# Allegro board pc051c_toplevel_209edited.brd (continued)
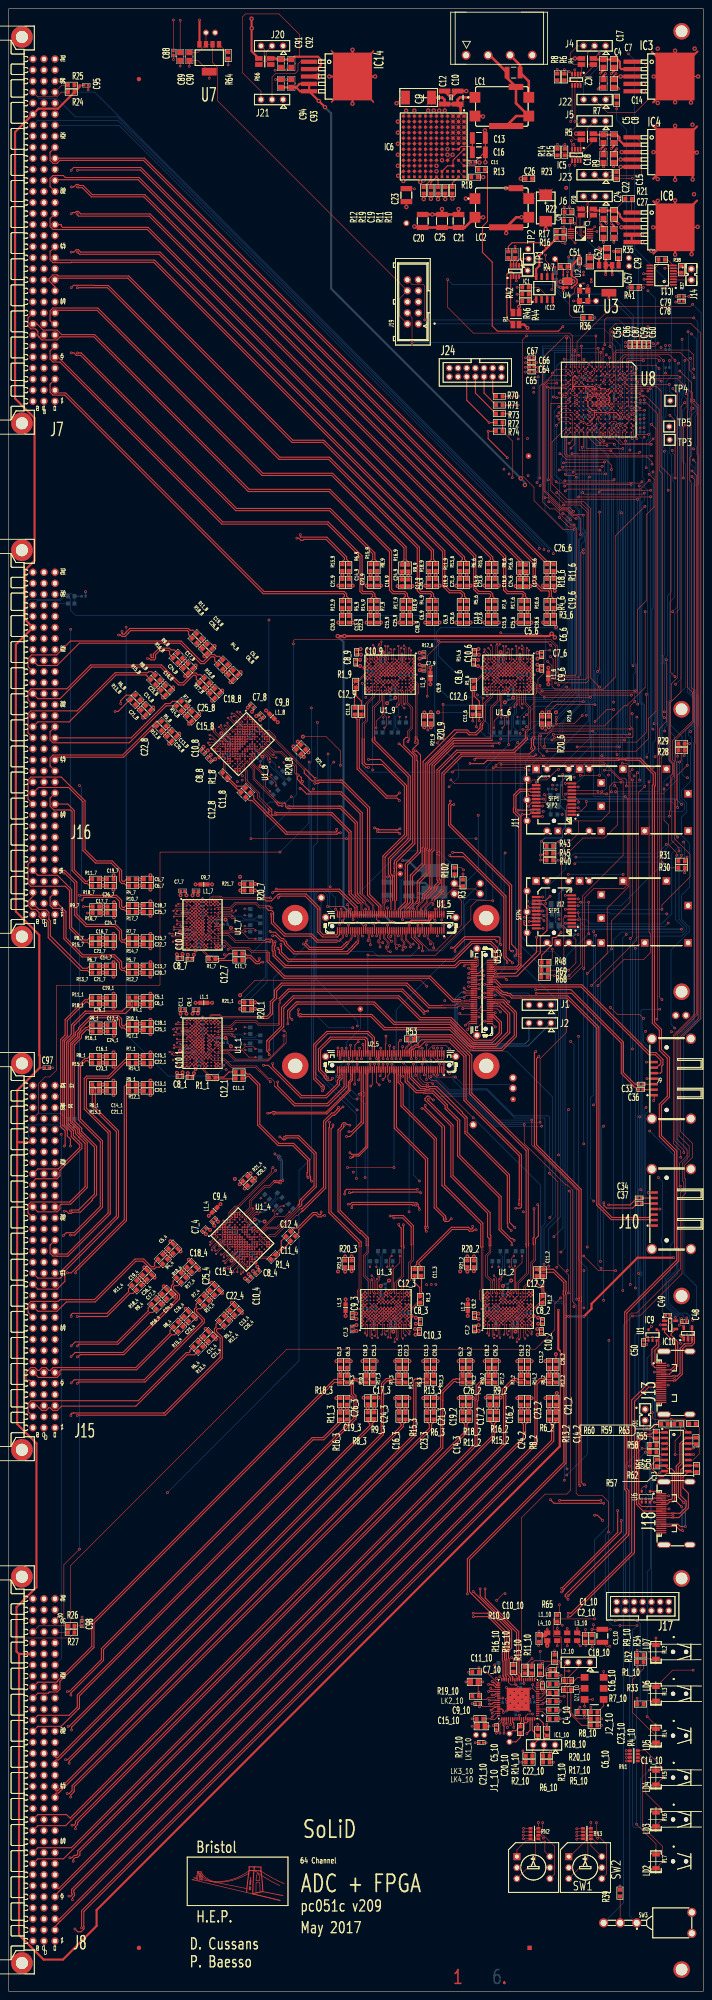
[diagram p0: board, top side]
## Routing (per net, layer and track width the routed paths; a pad name or vN(x,y) marks a point on that pad's centre or on a via; arc(x,y) is an arc through that point) (continued)
CLK_GEN_SDA_1V8: length 371.3
  TOP w0.13: v1(154.7,185.25) 154.5,185.45 154.5,190.55 156.25,192.3 156.25,193.7 153.95,196 153.95,220 158.73,224.78 158.73,364.42 157.3,365.84 157.3,366.26 157.46,366.41 157.46,367.96 157.3,368.11 157.3,370.12 v1(154.6,372.82) ; R10_10.1 119.81,73.79 118.46,73.79 118.16,74.09 118.16,109.01 123.56,114.41 128.53,114.41 129.45,115.33 129.45,183.85 v1(129.15,184.15) ; U8.K3 134.9,372.25 v1(134.9,373.25)
  TOP w0.17: R10_10.1 120.45,73 120.6,72.85 IC1_10.18
  L4 w0.13: v1(141.85,372.2) 142.5,372.85 154.57,372.85 v1(154.6,372.82) ; v1(154.7,185.25) 154.37,184.92 129.92,184.92 v1(129.15,184.15) ; v1(134.38,374.91) v1(140.35,374.91)
  BOTTOM w0.13: v1(134.9,373.25) 134.38,373.77 v1(134.38,374.91) ; v1(140.35,374.91) 140.35,371.17 140.35,371.16 140.35,370.99 140.64,370.7 142.14,370.7 142.39,370.95 142.39,371.65 v1(141.85,372.2)
CLK_IN_AC_N_10: length 12.2
  TOP w0.17: 123.9,58.85 C20_10.1
  TOP w0.25: C20_10.1 123.31,58.21 J1_10.2 123.31,55.69 123.1,55.48 R5_10.1 123.05,54.15 123.05,52.75 R6_10.2 ; 123.9,58.85 123.15,59.6 123.15,61.7 122.15,62.7 IC1_10.64
CLK_IN_AC_P_10: length 11.1
  TOP w0.25: IC1_10.63 120.6,60.05 121.8,58.85 C22_10.1 121.85,57.78 J1_10.3 120.77,55.69 120.6,55.52 R2_10.1 R3_10.2
CLK_N<0>: length 301
  TOP w0.25: IC1_10.53 v1(115.6,61.4) ; v1(107.35,283.45) 107.65,283.75 122.55,283.75 122.62,283.68 123.66,283.68 123.73,283.75 140.14,283.75 140.14,283.75 142.53,283.75 142.53,283.75 145.5,283.75 148.95,280.3 148.95,277.44 148.8,277.29 148.8,277.12 148.75,277.07 148.75,222.96 150.36,221.35 150.36,216.71 151.05,216.02 151.08,216.02 152.2,214.9 152.2,205.75 150.36,203.91 150.36,196.9 153.9,193.36 153.9,171.21 154.35,170.76 154.35,168.04 142.39,156.08 142.39,115.67 142.85,115.21 142.85,105.19 142.75,105.09 142.75,104.9 v1(128.85,91) ; C12_6.1 v1(108.4,292.35)
  L3 w0.25: v1(115.6,61.4) 116.9,61.4 117.1,61.2 119.39,61.2 120.56,62.36 121.24,62.36 122.09,63.21 122.09,65.72 121.99,65.81 121.99,66.69 122.09,66.78 122.09,67.1 122.21,67.22 122.21,68.4 122.09,68.52 122.09,68.57 121.89,68.76 121.89,69.11 121.8,69.2 121.8,76.85 120.96,77.69 120.96,78.63 120.62,78.97 120.62,80.15 120.83,80.36 120.83,80.45 120.9,80.51 120.9,82.13 120.79,82.24 120.79,83.36 120.96,83.53 120.96,86.51 121.25,86.8 125.45,91 v1(128.85,91) ; v1(108.4,292.35) 108.4,284.5 v1(107.35,283.45)
CLK_N<1>: length 293.6
  TOP w0.25: v1(90,275.75) 89.3,275.05 87.16,275.05 80.75,281.46 80.75,292.67 81.25,293.17 C12_9.1 ; v1(116.75,238.25) 116.85,238.35 116.85,238.52 117.05,238.72 117.05,239.7 115.85,240.9 115.85,254.51 101.82,268.53 101.82,272.82 102.07,273.07 v1(102.53,273.07) ; IC1_10.44 112.2,65.45 112.15,65.4 111.95,65.4 111.24,64.69 v1(111.1,64.69)
  L3 w0.25: v1(116.75,238.25) 116.75,237.85 117.45,237.15 138.9,237.15 140.85,235.2 140.85,214.86 141.21,214.5 141.21,170.56 138.71,168.06 138.71,150.11 138.81,150.02 138.81,149.56 138.71,149.46 138.71,108.46 118.73,88.48 118.73,77.96 118.32,77.56 118.32,74.23 115.3,71.21 115.3,69.38 114.62,68.7 113.59,68.7 112.79,67.9 112.79,67.02 112.95,66.86 112.95,66.79 112.95,66.79 112.95,65.8 112.36,65.21 111.95,64.8 111.35,64.8 111.24,64.69 v1(111.1,64.69) ; v1(102.53,273.07) 102.53,273.53 102.85,273.85 102.85,274.62 102.47,275 101.75,275 101.62,275.12 90.62,275.12 v1(90,275.75)
CLK_N<2>: length 305.1
  TOP w0.25: v1(90.15,267.5) 89.89,267.5 89.59,267.2 89.24,267.2 89.16,267.27 85.32,267.27 85.13,267.46 84.74,267.46 84.5,267.7 v1(84.25,267.7) ; C12_8.1 56.45,275.06 56.45,274.36 59.44,271.37 59.44,271.27 59.77,270.94 59.87,270.94 64.06,266.75 75.39,266.75 75.57,266.93 75.57,267.36 v1(75.55,267.38) ; v1(101.6,261.35) 101.88,261.07 104.78,261.07 114.05,251.8 114.05,237.84 114.82,237.08 v1(114.82,236.66) ; v1(126.9,112.95) v1(136.4,112.95) ; v1(106.99,87) 110.3,87 114.75,82.55 114.75,79.19 114.22,78.66 114.22,77.9 114.22,77.9 114.22,76.29 114.36,76.15 114.36,72.8 114.45,72.71 114.45,72.62 114.6,72.47 IC1_10.30
  L3 w0.25: v1(101.6,261.35) 102.26,261.35 102.41,261.49 102.48,261.49 102.81,261.82 102.81,262.28 102.48,262.61 102.25,262.61 97.36,267.5 v1(90.15,267.5) ; v1(136.4,112.95) 136.79,112.95 137.04,113.2 137.04,120.9 137.3,121.16 137.3,149.24 137.19,149.35 137.19,150.22 137.3,150.33 137.3,158.49 137.58,158.77 137.58,159.23 137.3,159.51 137.3,160.21 137.46,160.37 137.46,160.83 137.3,160.99 137.3,171.16 139.2,173.06 139.2,224.51 139.21,224.52 139.21,224.98 139.2,224.99 139.2,234.8 138.15,235.85 115.43,235.85 115.18,236.1 115.18,236.3 v1(114.82,236.66) ; v1(126.9,112.95) 125.51,112.95 104.43,91.87 104.43,88.98 106.41,87 v1(106.99,87) ; v1(75.55,267.38) 83.15,267.38 83.19,267.35 83.54,267.35 83.89,267.7 v1(84.25,267.7)
CLK_N<3>: length 295
  TOP w0.25: v1(113.35,240.85) 113.15,241.05 113.15,242.4 112.9,242.65 104.99,242.65 102.45,240.11 v1(101.99,240.11) ; IC1_10.50 114.1,62 113.85,61.75 113.85,61.25 114.1,61 v1(114.1,59.4) ; v1(57.74,237.61) 57.74,237.16 57.52,236.94 57.17,236.94 55.81,238.3 54.93,238.3 54.43,238.8 C12_7.1 ; v1(127.35,92.7) 127.36,92.7 127.41,92.75 127.41,92.76 140.28,105.62 v1(140.28,110.6)
  L3 w0.25: v1(101.99,240.11) 101.99,239.65 100.09,237.75 58.59,237.75 58.45,237.61 v1(57.74,237.61) ; v1(114.1,59.4) 114.1,61.06 113.89,61.27 113.89,61.32 113.89,61.73 113.95,61.79 113.95,62.36 114.49,62.9 119.41,62.9 119.75,63.24 120.88,63.24 121.21,63.57 121.21,65.36 121.11,65.45 121.11,67.05 121.12,67.06 121.12,67.37 121.33,67.58 121.33,68.04 121,68.37 119.75,68.37 119.03,69.09 119.03,70.09 119.32,70.38 119.32,71.11 119.75,71.54 119.75,74.85 119.49,75.1 119.49,77.04 119.75,77.29 119.75,78.59 119.74,78.6 119.74,80.51 119.75,80.52 119.75,80.57 119.85,80.67 119.85,86.8 125.75,92.7 v1(127.35,92.7) ; v1(113.35,240.85) 113.6,241.1 121.6,241.1 123.95,238.75 124.76,238.75 124.76,238.74 125.64,238.74 125.64,238.75 139.1,238.75 142.15,235.7 142.15,169.31 140.3,167.46 140.3,166.09 140.34,166.06 140.34,165.6 140.3,165.56 140.3,160.09 140.19,159.99 140.19,159.11 140.3,159.01 140.3,115.3 140.28,115.28 v1(140.28,110.6)
CLK_N<4>: length 228.8
  TOP w0.25: C12_1.1 54.43,211.55 54.93,211.05 55.49,211.05 57.85,208.69 57.85,199.51 62.26,195.1 65.24,195.1 65.65,195.1 69.35,191.4 69.35,187.64 69.53,187.46 69.53,186.67 v1(69.78,186.42) ; v1(77.4,183.45) 77.43,183.48 77.43,184.13 77.83,184.53 v1(94.12,184.53) ; IC1_10.41 112.2,66.95 112.15,67 v1(110.65,67)
  L3 w0.25: v1(110.65,67) 111.79,67 111.84,67.05 111.84,67.91 111.91,67.97 111.91,68.32 112.07,68.48 112.07,68.69 112.49,69.11 112.49,69.34 113.77,70.63 113.77,71.01 114.8,72.04 114.8,73.35 117.35,75.9 117.35,76.16 117.36,76.17 117.36,89.99 120.06,92.68 120.06,93.06 135.78,108.79 135.78,109.54 135.59,109.73 135.59,109.84 135.33,110.1 135.19,110.1 135.18,110.11 135.18,110.49 135.38,110.69 135.38,175.26 127.41,183.23 126.96,183.23 126.26,183.93 95.68,183.93 95.05,184.56 94.68,184.56 94.65,184.53 v1(94.12,184.53) ; v1(69.78,186.42) 69.78,186.87 70.03,187.12 73.72,187.12 v1(77.4,183.45)
CLK_N<5>: length 195.8
  TOP w0.25: C12_4.1 65.74,175.6 66.44,175.6 70.04,179.2 70.94,179.2 71.44,178.69 71.79,178.69 71.97,178.87 v1(71.97,179.33) ; v1(110.55,69) 112.15,69 112.2,68.95 IC1_10.37 ; v1(78.22,181.13) 78.68,181.13 79.08,181.53 93.11,181.53 93.21,181.43 93.98,181.43 94.33,181.08 94.33,180.54 94.6,180.27 v1(94.6,179.9)
  L3 w0.25: v1(110.55,69) 111.14,69 111.61,69.47 111.61,69.71 112.89,70.99 112.89,71.38 113.68,72.17 113.68,73.78 113.97,74.08 113.97,74.08 116.45,76.55 116.45,93 133.02,109.57 133.02,110.99 133.5,111.47 133.5,166.69 133.37,166.76 133.37,169.18 133.5,169.31 133.5,170.71 133.82,171.02 133.82,171.48 133.5,171.8 133.5,174.48 126.63,181.35 126.19,181.35 125.64,181.9 96.41,181.9 94.96,180.45 94.85,180.45 94.6,180.2 v1(94.6,179.9) ; v1(71.97,179.33) 72.43,179.33 73.6,180.5 77.62,180.5 77.8,180.32 77.87,180.32 78.22,180.67 v1(78.22,181.13)
CLK_N<6>: length 158.1
  TOP w0.25: C12_3.1 93.5,166.78 94,167.28 94,167.84 101.96,175.8 105.94,175.8 106.34,175.4 106.69,175.4 106.87,175.58 v1(106.87,176.03) ; IC1_10.23 118.1,72.35 118.06,72.39 118.06,72.6 118.06,72.8 117.56,73.3 117.56,76.64 117.35,76.85 117.35,77.35 117.48,77.48 117.48,82.77 109.75,90.5 v1(109.75,92.6)
  L3 w0.25: v1(106.87,176.03) 107.32,176.03 108.29,177 124.4,177 129.51,171.89 129.8,171.6 129.8,161.29 129.96,161.14 129.96,160.26 129.8,160.11 129.8,158.16 129.85,158.11 130.43,158.11 130.76,157.78 130.76,157.32 130.43,156.99 130,156.99 129.95,156.94 129.95,155.79 130.01,155.74 130.01,154.86 129.95,154.81 129.95,111.99 110.56,92.6 110.15,92.6 v1(109.75,92.6)
CLK_N<7>: length 114.7
  TOP w0.25: C12_2.1 122.35,165.45 125.5,165.45 127.87,163.07 127.87,161.32 127.74,161.19 127.74,160.31 127.87,160.18 127.87,121.73 105.65,99.51 v1(105.65,91.45) ; IC1_10.27 116.1,72.23 116.1,72.24 116.1,72.35 115.27,73.18 115.27,76.53 115.13,76.67 115.13,78.28 115.85,79 115.85,83.15 v1(107.01,91.99)
  L3 w0.25: v1(105.65,91.45) 106.42,91.45 106.96,91.99 v1(107.01,91.99)
CLK_N<8>: length 180.1
  TOP w0.18: U3_5.57 v1(109.62,223.2)
  TOP w0.25: v1(111.35,71.3) 111.65,71 111.85,71 112.33,70.52 112.34,70.52 112.41,70.45 IC1_10.34 ; v1(122.1,215.1) 121.59,214.59 121.59,194.79 131.87,184.51 131.87,159.73 131.91,159.69 131.91,158.81 131.85,158.76 131.85,117.15 132.45,116.55 v1(132.65,116.55)
  L3 w0.25: v1(111.35,71.3) 110.9,71.75 110.9,75.99 115.85,80.94 115.85,88.64 112.9,91.59 112.9,92.5 112.95,92.55 112.95,92.57 132.23,111.85 132.23,115.87 132.65,116.3 v1(132.65,116.55) ; v1(109.62,223.2) 109.62,223.17 110.9,221.89 110.9,220.65 115.86,215.69 121.51,215.69 v1(122.1,215.1)
CLK_P<0>: length 303.2
  TOP w0.25: IC1_10.54 116.1,61.94 116.35,61.69 v1(116.35,60.7) ; v1(106.25,282.55) 106.31,282.49 109.44,282.49 110.21,283.25 140.47,283.25 140.52,283.3 140.52,283.32 140.57,283.37 142.1,283.37 142.15,283.32 142.15,283.3 142.2,283.25 145.29,283.25 148.45,280.09 148.45,277.65 148.25,277.45 148.25,222.75 149.86,221.14 149.86,216.5 150.84,215.52 150.87,215.52 151.7,214.69 151.7,205.96 149.86,204.12 149.86,196.69 153.4,193.15 153.4,171 153.85,170.55 153.85,168.25 141.89,156.29 141.89,115.46 142.35,115 142.35,105.4 128.18,91.23 128.18,90.87 v1(128.85,90.2) ; C11_6.1 v1(106.9,292.3)
  L3 w0.25: v1(106.9,292.3) 106.9,284.41 106.25,283.76 v1(106.25,282.55) ; v1(116.35,60.7) 119.6,60.7 120.76,61.86 121.45,61.86 122.59,63 122.59,65.93 122.49,66.02 122.49,66.48 122.59,66.57 122.59,66.89 122.71,67.01 122.71,68.61 122.59,68.73 122.59,68.78 122.39,68.97 122.39,69.31 122.3,69.41 122.3,77.06 121.46,77.9 121.46,78.83 121.12,79.17 121.12,79.94 121.33,80.16 121.33,80.24 121.4,80.31 121.4,82.34 121.29,82.45 121.29,83.15 121.46,83.32 121.46,86.3 125.36,90.2 v1(128.85,90.2)
CLK_P<1>: length 293.9
  TOP w0.25: v1(113.94,64.19) 113.97,64.22 113.97,64.58 113.6,64.95 IC1_10.45 ; v1(101.72,273.88) 101.72,273.42 101.32,273.03 101.32,268.33 115.35,254.3 115.35,239.71 115.71,239.35 v1(116.1,239.35) ; C11_9.1 79.75,293.17 80.25,292.67 80.25,281.25 86.95,274.55 89.45,274.55 v1(90,274)
  L3 w0.25: v1(90,274) 90.62,274.62 101.42,274.62 101.55,274.5 102.27,274.5 102.35,274.41 102.35,274.06 102.18,273.88 v1(101.72,273.88) ; v1(116.1,239.35) 121.2,239.35 122.63,237.92 138.98,237.92 141.38,235.52 141.38,219.17 141.71,218.84 141.71,170.35 139.21,167.86 139.21,150.32 139.31,150.22 139.31,149.35 139.21,149.26 139.21,108.26 119.23,88.27 119.23,77.76 118.82,77.35 118.82,74.02 115.8,71 115.8,69.17 114.83,68.2 113.79,68.2 113.29,67.69 113.29,67.23 113.45,67.07 113.45,67 113.45,67 113.45,65.59 112.86,65 112.86,64.65 113.11,64.4 113.72,64.4 v1(113.94,64.19)
CLK_P<2>: length 305.2
  TOP w0.25: v1(124.8,113.1) 125.6,112.3 v1(137.05,112.3) ; v1(84.9,266.9) 85.1,266.7 89.75,266.7 v1(90.1,266.35) ; v1(76.38,266.57) 75.92,266.57 75.6,266.25 64.27,266.25 63.85,266.25 59.66,270.44 59.56,270.44 58.94,271.06 58.94,271.16 56.1,274 55.39,274 C11_8.1 ; v1(102.25,262.05) 104.51,262.05 114.55,252.01 114.55,238.05 115.32,237.28 115.32,237.23 115.39,237.16 115.54,237.16 v1(116.05,236.65) ; v1(107.04,86.2) 110.39,86.2 114.25,82.34 114.25,79.39 113.72,78.86 113.72,77.7 113.72,76.09 113.86,75.95 113.86,72.59 113.95,72.5 113.95,72.41 114.1,72.26 IC1_10.31
  L3 w0.25: v1(76.38,266.57) 76.38,266.6 76.63,266.85 84.35,266.85 84.42,266.78 84.78,266.78 v1(84.9,266.9) ; v1(102.25,262.05) 102.1,262.05 97.8,266.35 v1(90.1,266.35) ; v1(137.05,112.3) 137.55,112.3 137.8,112.55 137.8,149.45 137.69,149.56 137.69,150.02 137.8,150.12 137.8,158.28 138.08,158.56 138.08,159.44 137.8,159.72 137.8,160.01 137.96,160.16 137.96,161.04 137.8,161.19 137.8,170.95 139.41,172.56 140.25,173.4 140.25,234.65 138.25,236.65 v1(116.05,236.65) ; v1(107.04,86.2) 106.5,86.2 106.26,86.44 106.22,86.44 105.89,86.77 105.89,86.81 103.93,88.78 103.93,92.07 124.8,112.94 v1(124.8,113.1)
CLK_P<3>: length 290.5
  TOP w0.25: v1(58.55,236.8) 58.09,236.8 57.73,236.44 56.96,236.44 55.6,237.8 54.93,237.8 54.43,237.3 C11_7.1 ; IC1_10.51 114.6,61.65 v1(114.45,61.5) ; v1(102.8,239.3) 102.8,239.75 105.1,242.05 112,242.05 v1(112.45,241.6) ; v1(127.35,91.9) 127.53,91.9 127.7,92.08 127.7,92.27 127.91,92.47 127.91,92.55 141.1,105.74 v1(141.1,108.35)
  L3 w0.25: v1(141.1,108.35) 141,108.45 141,114.6 140.83,114.77 140.83,115.51 140.8,115.54 140.8,159.21 140.69,159.32 140.69,159.78 140.8,159.89 140.8,165.36 140.84,165.39 140.84,166.27 140.8,166.3 140.8,167.25 142.8,169.25 142.8,235.85 139.35,239.3 125.49,239.3 125.43,239.24 124.97,239.24 124.91,239.3 124.15,239.3 121.85,241.6 v1(112.45,241.6) ; v1(102.8,239.3) 102.35,239.3 100.3,237.25 58.8,237.25 58.55,237 v1(58.55,236.8) ; v1(114.45,61.5) 114.42,61.5 114.39,61.52 114.45,61.58 114.45,62.15 114.7,62.4 119.62,62.4 119.96,62.74 121.09,62.74 121.71,63.36 121.71,65.56 121.61,65.66 121.61,66.84 121.62,66.85 121.62,67.16 121.83,67.37 121.83,68.25 121.21,68.87 119.96,68.87 119.53,69.29 119.53,69.88 119.82,70.17 119.82,70.9 120.25,71.33 120.25,75.05 119.99,75.31 119.99,76.83 120.25,77.09 120.25,78.8 120.24,78.81 120.24,80.31 120.25,80.32 120.25,80.36 120.42,80.53 120.42,82.07 120.42,82.08 120.42,83.52 120.42,83.53 120.42,86.67 125.66,91.9 v1(127.35,91.9)
CLK_P<4>: length 229.3
  TOP w0.25: v1(78.5,183.77) 79.07,183.77 79.2,183.9 94.75,183.9 v1(94.93,183.72) ; v1(136.8,108.35) 135.6,109.55 v1(134.95,109.55) ; v1(68.97,187.23) 68.72,187.48 68.72,188.35 68.85,188.48 68.85,191.19 65.44,194.6 62.05,194.6 57.35,199.3 57.35,208.48 55.28,210.55 54.93,210.55 54.43,210.05 C11_1.1 ; v1(110.75,66.1) 111.32,66.1 111.67,66.45 IC1_10.42
  L3 w0.25: v1(94.93,183.72) 94.93,183.97 95.47,183.43 126.06,183.43 126.76,182.73 127.2,182.73 134.88,175.05 134.88,110.9 134.68,110.7 134.68,109.9 134.95,109.63 v1(134.95,109.55) ; v1(78.5,183.77) 78.67,183.94 78.67,184.3 78.42,184.55 77.6,184.55 74.53,187.62 69.83,187.62 69.43,187.23 v1(68.97,187.23) ; v1(136.8,108.35) 136.05,108.35 120.56,92.86 120.56,92.48 117.86,89.78 117.86,75.97 117.85,75.96 117.85,75.69 115.3,73.14 115.3,71.84 114.27,70.81 114.27,70.42 112.99,69.14 112.99,68.9 112.57,68.48 112.57,68.28 112.41,68.11 112.41,67.76 112.34,67.7 112.34,66.84 111.6,66.1 v1(110.75,66.1)
CLK_P<5>: length 194.3
  TOP w0.25: C11_4.1 66.8,174.54 66.8,175.25 70.25,178.7 70.73,178.7 71.23,178.19 72,178.19 72.33,178.52 v1(72.78,178.52) ; v1(111.35,68.2) 111.92,68.2 112.17,68.45 IC1_10.38 ; v1(79.03,180.32) 79.03,180.77 79.28,181.03 92.85,181.03 93,180.87 v1(93.75,180.87)
  L3 w0.25: v1(111.35,68.2) 111.35,68.51 112.11,69.26 112.11,69.5 113.39,70.78 113.39,71.17 114.18,71.96 114.18,73.58 116.95,76.34 116.95,92.7 133.52,109.27 133.52,110.78 134,111.26 134,166.99 133.87,167.06 133.87,168.97 134,169.1 134,170.5 134.32,170.82 134.32,171.69 134,172.01 134,174.69 126.84,181.85 126.39,181.85 125.84,182.4 95.45,182.4 93.92,180.87 v1(93.75,180.87) ; v1(79.03,180.32) 78.58,180.32 78.08,179.82 77.59,179.82 77.41,180 73.81,180 72.78,178.97 v1(72.78,178.52)
CLK_P<6>: length 156.2
  TOP w0.25: v1(108.6,92.6) 108.6,90.94 116.98,82.56 116.98,77.69 116.85,77.56 116.85,76.64 117.06,76.43 117.06,73.09 117.56,72.59 117.56,72.39 117.56,72.14 117.6,72.1 IC1_10.24 ; v1(107.68,175.22) 107.22,175.22 106.9,174.9 106.13,174.9 105.73,175.3 102.17,175.3 94.5,167.63 94.5,167.28 95,166.78 C11_3.1
  L3 w0.25: v1(107.68,175.22) 107.68,175.68 108.5,176.5 124.19,176.5 129.3,171.39 129.3,161.09 129.46,160.93 129.46,160.47 129.3,160.31 129.3,158.14 129.14,157.99 129.14,157.11 129.45,156.8 129.45,155.58 129.51,155.53 129.51,155.07 129.45,155.02 129.45,112.2 110.39,93.13 110.33,93.13 110.3,93.16 109.52,93.16 108.96,92.6 v1(108.6,92.6)
CLK_P<7>: length 112
  TOP w0.25: IC1_10.28 115.55,71.75 115.55,72.19 114.77,72.97 114.77,76.32 114.63,76.46 114.63,78.07 114.63,78.49 115.35,79.21 115.35,82.94 112.89,85.41 112.69,85.41 106.15,91.95 106.15,99.3 128.37,121.52 128.37,155.03 128.4,155.06 128.39,155.07 128.39,155.53 128.4,155.54 128.4,160.36 128.24,160.52 128.24,160.98 128.4,161.14 128.4,163.25 125.5,166.15 C11_2.1
CLK_P<8>: length 178
  TOP w0.18: v1(112.1,221.9) 111.3,222.7 U3_5.59
  TOP w0.25: v1(121.4,216.25) 121.09,215.94 121.09,194.59 131.37,184.31 131.37,159.52 131.41,159.48 131.41,159.02 131.35,158.96 131.35,116.57 v1(131.57,116.34) ; v1(110.55,70.6) 111.12,70.6 111.22,70.5 111.64,70.5 112.12,70.02 112.13,70.02 112.2,69.95 IC1_10.35
  L3 w0.25: v1(112.1,221.9) 112.1,220.8 116.65,216.25 v1(121.4,216.25) ; v1(110.55,70.6) 110.55,71.39 110.4,71.54 110.4,76.2 115.35,81.15 115.35,88.44 112.74,91.04 112.4,91.39 112.4,92.73 112.55,92.88 131.73,112.06 131.73,116.19 v1(131.57,116.34)
CPLD_LEDS<0>: length 371.9
  TOP w0.13: v1(157.85,371.3) 157.85,372 156.85,373 156.85,374.9 154.65,377.1 139.98,377.1 139.85,376.97 139.85,374.7 139.9,374.65 139.9,373.2 139.45,372.75 U8.E2 ; v1(149.1,42.1) LD3.1
  L3 w0.13: v1(157.85,371.3) 157.85,367.2 158.55,366.5 158.55,363.05 158.29,362.79 158.29,362.26 157.74,361.71 157.74,355.94 158.29,355.39 158.29,355.06 158.3,355.06 158.3,354.64 158.29,354.64 158.29,352.09 156.7,350.5 156.7,297.55 158.56,295.69 158.56,206.12 155.1,202.65 155.1,195.8 156.9,194 156.9,192.85 154.9,190.85 154.9,187.35 156.9,185.35 156.9,175.05 154.85,173 154.85,165.55 156.95,163.45 156.95,161.55 158.6,159.9 158.6,76.45 156.6,74.45 156.6,72.9 158.25,71.25 158.25,48.75 154.25,44.75 151.75,44.75 v1(149.1,42.1)
CPLD_LEDS<1>: length 396.8
  TOP w0.13: v1(136.9,377.95) 136.9,373.35 136.4,372.85 U8.H2 ; v1(153.9,261.4) 153.9,261.95 151.99,263.86 151.99,268.39 150.95,269.43 v1(150.95,276.65) ; v1(144.75,85.25) v1(139.7,85.25) ; LD2.1 149.1,33.95 v1(144.6,38.45)
  L3 w0.13: v1(150.28,378.25) 150.28,377.07 151.5,375.85 151.5,372.85 151.8,372.56 151.8,372.14 151.5,371.85 151.5,368.85 151,368.35 151,365.35 153.4,362.95 153.4,355.65 152.85,355.1 v1(152.85,354.55)
  L4 w0.13: v1(150.28,378.25) 149.47,377.45 138.15,377.45 137.65,377.95 v1(136.9,377.95)
  BOTTOM w0.13: v1(153.9,261.4) 153.65,261.15 153.65,246.6 155.55,244.7 155.55,244 155.28,243.72 141.12,243.72 139.3,241.9 139.3,240.13 139.37,240.06 139.37,239.65 139.28,239.56 139.28,165.62 139.3,165.6 139.3,106 138.2,104.9 138.2,86.25 139.2,85.25 v1(139.7,85.25) ; v1(150.95,276.65) 150.95,278.4 152.9,280.35 152.9,282.25 152.03,283.12 152.03,291.04 151.83,291.24 151.83,296.71 152.15,297.03 152.15,319.55 153.35,320.75 153.35,347.35 153,347.7 153,348.95 153.4,349.35 153.4,353.5 152.85,354.05 v1(152.85,354.55) ; v1(144.6,38.45) 144.6,65.3 145.45,66.15 145.45,84.55 v1(144.75,85.25)
CPLD_LEDS<2>: length 343.3
  TOP w0.13: v1(157.8,373.25) 157.8,376.5 156.65,377.65 140.05,377.65 139.4,377 U8.E1 ; LD6.1 152.94,73.9 v1(157.65,73.9)
  L3 w0.13: v1(157.8,373.25) 157.8,372.85 159.05,371.6 159.05,362.65 158,361.6 158,356.05 158.65,355.4 158.65,296.2 159,295.85 159,206 155.4,202.4 155.4,197.1 157.5,195 157.5,191.95 155.45,189.9 155.45,187.9 157.45,185.9 157.45,174.3 155.55,172.4 155.55,166.85 157.5,164.9 157.5,161.85 159,160.35 159,75.25 v1(157.65,73.9)
CPLD_LEDS<3>: length 337.9
  TOP w0.13: LD7.1 v1(149.1,81.3) ; U8.F1 v1(138.4,375.9)
  L4 w0.13: v1(149.1,81.3) 149.1,81.75 153.55,86.2 153.55,92.75 148.1,98.2 148.1,122.45 154.55,128.9 154.55,140.6 154.15,141 154.15,149.4 154.75,150 156.9,150 158.3,151.4 158.3,155.2 157.9,155.6 157.9,166.75 155.35,169.3 155.35,171.4 157.15,173.2 157.15,185.5 154.45,188.2 154.45,189.3 157.4,192.25 157.4,196.05 155.15,198.3 155.15,213.9 158.8,217.55 158.8,276.55 156.35,279 v1(156.35,279.25) ; v1(155.75,375.25) 154.6,376.4 138.9,376.4 v1(138.4,375.9)
  BOTTOM w0.13: v1(156.35,279.25) 156.3,279.3 155.85,279.3 155.1,280.05 155.1,288.7 152.35,291.45 152.35,296.5 153.79,297.94 153.82,297.94 154.11,298.23 154.11,298.26 155.95,300.1 155.95,351.35 155.25,352.05 155.25,363.7 156.2,364.65 156.2,366.4 155.5,367.1 155.5,369.8 155.75,370.05 v1(155.75,375.25)
CPLD_TCK: length 45.4
  TOP w0.129: v1(126.31,362.45) 126.67,362.45 127.5,363.28 129.87,363.28 U8.P12
  TOP w0.25: R71.1 109.5,367.75 J24.6
  L3 w0.25: v1(126.31,362.45) 120.42,362.45 115.73,357.76 110.04,357.76 108.46,359.34 108.46,370.47 J24.6
CPLD_TDI: length 35.4
  TOP w0.129: v1(126.73,363.21) 127.69,364.17 128.88,364.17 129.3,363.75 U8.R11
  TOP w0.25: R72.2 112.21,360.96 v1(110.65,360.96) 105.5,366.11 J24.10
  L3 w0.25: v1(110.65,360.96) 117.57,360.96 120.8,364.19 125.54,364.19 126.52,363.21 v1(126.73,363.21)
CPLD_TDO: length 100.9
  TOP w0.13: v1(145.4,364.3) 144.95,364.75 U8.A10
  TOP w0.25: J24.8 107.5,367.75 R73.1
  L3 w0.129: 117.37,352.94 118.04,352.27 127.12,352.27 127.63,352.78 145.32,352.78 146.85,354.31 149.43,354.31 150.61,353.13 155.95,353.13 v1(157.74,354.92)
  L3 w0.25: J24.8 107.5,359.43 110.14,356.79 113.52,356.79 117.37,352.94
  L4 w0.13: v1(145.4,364.3) 156.28,364.3 157.8,362.78 157.8,354.98 v1(157.74,354.92)
CPLD_TMS: length 31.6
  TOP w0.129: U8.N12 131.4,362.73 v1(130.93,362.26)
  TOP w0.25: R70.1 111.5,367.75 J24.4
  L3 w0.25: J24.4 111.45,371.46 111.45,367.74 113.36,365.83 127.25,365.83 128.93,364.15 128.93,363.25 129.92,362.26 v1(130.93,362.26)
EXT_TEMP_ENABLE: length 232
  TOP w0.13: U8.G15 137.35,359.75 136.9,359.3 v1(136.9,358.25) ; v1(147.9,345.4) 136.4,345.4 v1(136,345) ; R64.2 v1(50.55,443.26)
  L4 w0.13: v1(50.55,443.26) 139.81,443.26 142.35,445.8 v1(142.75,445.8) ; v1(147.9,345.4) v1(151.9,345.4)
  BOTTOM w0.13: v1(136,345) 136,349.55 135.7,349.84 135.7,351.16 135.71,351.16 135.71,356.42 136.9,357.61 v1(136.9,358.25) ; v1(151.9,345.4) 151.74,345.55 151.74,354.33 150.9,355.17 150.9,361.95 151.4,362.45 151.4,370.37 152.7,371.67 152.7,392.5 144.15,401.05 144.15,444.4 v1(142.75,445.8)
EXT_TEMP_SCL<0>: length 72.4
  TOP w0.13: U8.B13 141.94,362.21 v1(141.85,362.21) ; J19.4 92.91,385.13 v1(92.91,379.36)
  BOTTOM w0.13: v1(141.85,362.21) 141.85,369.3 140.71,370.44 140.54,370.44 140.09,370.89 140.09,371.06 139.77,371.38 139.77,378.36 138.77,379.36 v1(92.91,379.36)
EXT_TEMP_SCL<1>: length 83.9
  TOP w0.13: U8.B15 142.4,359.85 v1(141.95,360.3) ; J19.10 92.91,392.75 95.47,392.75 95.84,392.39 v1(95.84,384.58)
  BOTTOM w0.13: v1(141.95,360.3) 143.35,361.7 143.35,381.87 140.64,384.58 v1(95.84,384.58)
EXT_TEMP_SDA<0>: length 69.8
  TOP w0.13: v1(142.85,362.3) 142.85,361.2 U8.B14
  BOTTOM w0.13: v1(142.85,362.3) 142.85,380.65 139.83,383.67 J19.1
EXT_TEMP_SDA<1>: length 100.1
  TOP w0.13: U8.D15 140.47,359.75 140.8,359.43 140.8,356.88 141.48,356.2 147.42,356.2 v1(148.42,357.2)
  L4 w0.25: J19.7 123.61,391.29 124.47,390.43 128.72,390.43 129.14,390.85 146.8,390.85 v1(147.24,391.29)
  BOTTOM w0.13: v1(148.42,357.2) 148.94,357.72 148.94,374.66 149.05,374.76 149.05,389.48 v1(147.24,391.29)
EXTERNAL_SCL<0>: length 316.6
  TOP w0.13: v1(146.45,363.8) 146.4,363.75 U8.A11 ; J7.C29 12.27,438.6 R25.1
  TOP w0.15: v1(155.4,348.2) 155.4,360 v1(155.8,360.4)
  L3 w0.15: v1(155.4,348.2) 155.21,348.2 153.6,346.6 147.35,346.6 146.5,345.75 131.35,345.75 130.3,344.7 127.8,344.7 126.85,345.65 118.03,345.65 115.9,347.78 115.78,347.78 115.48,348.08 115.48,348.2 114.1,349.58 v1(114.1,350.25)
  L4 w0.13: v1(155.8,360.4) 152.4,363.8 v1(146.45,363.8) ; v1(125.45,330.8) 127.4,328.85 127.4,304.4
  L4 w0.15: v1(114.1,350.25) 114.1,348.75 116.66,346.19 116.66,346.07 128.66,334.07 128.66,333.35 128.58,333.28 128.58,331.84 128.58,331.29 128.58,329.46 128.58,329.41 128.66,329.33 128.66,303.56 128.55,303.45 127.55,303.45 127.4,303.6 127.4,304.4
  BOTTOM w0.13: J7.C29 19.8,437 125.45,331.35 v1(125.45,330.8)
EXTERNAL_SCL<1>: length 223.7
  TOP w0.13: v1(124.66,308.6) 123.52,308.6 123.29,308.37 123.29,303.31 121.9,301.91 121.9,299.03 122.68,298.25 v1(143.45,298.25) ; v1(144.09,361.61) 143.54,361.61 U8.A13
  L4 w0.13: J16.C29 121.04,318.9 124.35,315.59 124.35,308.91 v1(124.66,308.6) ; v1(143.1,354.65) 142.85,354.4 142.85,298.85 v1(143.45,298.25)
  BOTTOM w0.13: J16.C29 11.07,319.3 R52.1 ; v1(144.09,361.61) 144.35,361.35 144.35,359.59 143.1,358.34 v1(143.1,354.65)
EXTERNAL_SCL<2>: length 323.5
  TOP w0.13: U8.A15 143.86,359.29 143.86,358.14 v1(144.7,357.3) ; v1(122.89,299.25) v1(144.35,299.25)
  L4 w0.13: v1(122.89,299.25) 122.89,312.52 122.01,313.4 v1(14.29,313.4)
  BOTTOM w0.13: v1(14.29,313.4) 14.29,199.74 R50.1 12.37,199.1 J15.C29 ; v1(144.35,299.25) 144.55,299.46 144.55,305.31 144.15,305.71 144.15,356.75 v1(144.7,357.3)
